# KiCad board oibus-mini-CCC_PANEL.kicad_pcb (continued)
## Routing (per net, layer and track width the routed paths; a pad name or vN(x,y) marks a point on that pad's centre or on a via; arc(x,y) is an arc through that point) (continued)
/CAN_H: length 761.8
  Top w0.2: 68.03,24.01 68.03,23.3 69,22.33 R19#2.1 69.8,21 69.8,19.74 68.95,18.89 68.95,18.06 70.9,16.11 70.9,13.81 70.1,13.01 J3#2.3 67.15,13.01 D6#2.1 66.38,12.23 63.73,12.23 62.2,10.71 H2#2.11 ; 68.03,24.01 68.03,23.78 ; 68.03,24.01 U7#2.7 ; 105.03,24.01 105.03,23.3 106,22.33 R19#3.1 106.8,21 106.8,19.74 105.95,18.89 105.95,18.06 107.9,16.11 107.9,13.81 107.1,13.01 J3#3.3 104.15,13.01 D6#4.1 103.38,12.23 100.72,12.23 99.2,10.71 H2#3.11 ; 105.03,24.01 105.03,23.78 ; 105.03,24.01 U7#4.7 ; 142.03,24.01 142.03,23.3 143,22.33 R19#4.1 143.8,21 143.8,19.74 142.95,18.89 142.95,18.06 144.9,16.11 144.9,13.81 144.1,13.01 J3#4.3 141.15,13.01 D6#3.1 140.38,12.23 137.72,12.23 136.2,10.71 H2#4.11 ; 142.03,24.01 142.03,23.78 ; 142.03,24.01 U7#3.7 ; 179.03,24.01 179.03,23.3 180,22.33 R19#5.1 180.8,21 180.8,19.74 179.95,18.89 179.95,18.06 181.9,16.11 181.9,13.81 181.1,13.01 J3#5.3 178.15,13.01 D6#6.1 177.38,12.23 174.72,12.23 173.2,10.71 H2#6.11 ; 179.03,24.01 179.03,23.78 ; 179.03,24.01 U7#6.7 ; 216.03,24.01 216.03,23.3 217,22.33 R19#6.1 217.8,21 217.8,19.74 216.95,18.89 216.95,18.06 218.9,16.11 218.9,13.81 218.1,13.01 J3#6.3 215.15,13.01 D6#5.1 214.38,12.23 211.72,12.23 210.2,10.71 H2#5.11 ; 216.03,24.01 216.03,23.78 ; 216.03,24.01 U7#5.7 ; 253.03,24.01 253.03,23.3 254,22.33 R19#8.1 254.8,21 254.8,19.74 253.95,18.89 253.95,18.06 255.9,16.11 255.9,13.81 255.1,13.01 J3#8.3 252.15,13.01 D6#8.1 251.38,12.23 248.72,12.23 247.2,10.71 H2#7.11 ; 253.03,24.01 253.03,23.78 ; 253.03,24.01 U7#8.7 ; 290.03,24.01 290.03,23.3 291,22.33 R19#7.1 291.8,21 291.8,19.74 290.95,18.89 290.95,18.06 292.9,16.11 292.9,13.81 292.1,13.01 J3#7.3 289.15,13.01 D6#7.1 288.38,12.23 285.73,12.23 284.2,10.71 H2#8.11 ; 290.03,24.01 290.03,23.78 ; 290.03,24.01 U7#7.7 ; 31.03,90.01 31.03,89.3 32,88.33 R19#9.1 32.8,87 32.8,85.74 31.95,84.89 31.95,84.06 33.9,82.11 33.9,79.81 33.1,79.01 J3#9.3 30.15,79.01 D6#10.1 29.38,78.23 26.73,78.23 25.2,76.71 H2#9.11 ; 31.03,90.01 31.03,89.78 ; 31.03,90.01 U7#10.7 ; 105.03,90.01 105.03,89.3 106,88.33 R19#11.1 106.8,87 106.8,85.74 105.95,84.89 105.95,84.06 107.9,82.11 107.9,79.81 107.1,79.01 J3#11.3 104.15,79.01 D6#14.1 103.38,78.23 100.72,78.23 99.2,76.71 H2#13.11 ; 105.03,90.01 105.03,89.78 ; 105.03,90.01 U7#14.7 ; 68.03,90.01 68.03,89.3 69,88.33 R19#13.1 69.8,87 69.8,85.74 68.95,84.89 68.95,84.06 70.9,82.11 70.9,79.81 70.1,79.01 J3#13.3 67.15,79.01 D6#9.1 66.38,78.23 63.73,78.23 62.2,76.71 H2#12.11 ; 68.03,90.01 68.03,89.78 ; 68.03,90.01 U7#9.7 ; 142.03,90.01 142.03,89.3 143,88.33 R19#12.1 143.8,87 143.8,85.74 142.95,84.89 142.95,84.06 144.9,82.11 144.9,79.81 144.1,79.01 J3#12.3 141.15,79.01 D6#13.1 140.38,78.23 137.72,78.23 136.2,76.71 H2#11.11 ; 142.03,90.01 142.03,89.78 ; 142.03,90.01 U7#13.7 ; 179.03,90.01 179.03,89.3 180,88.33 R19#14.1 180.8,87 180.8,85.74 179.95,84.89 179.95,84.06 181.9,82.11 181.9,79.81 181.1,79.01 J3#14.3 178.15,79.01 D6#12.1 177.38,78.23 174.72,78.23 173.2,76.71 H2#10.11 ; 179.03,90.01 179.03,89.78 ; 179.03,90.01 U7#12.7 ; 216.03,90.01 216.03,89.3 217,88.33 R19#10.1 217.8,87 217.8,85.74 216.95,84.89 216.95,84.06 218.9,82.11 218.9,79.81 218.1,79.01 J3#10.3 215.15,79.01 D6#11.1 214.38,78.23 211.72,78.23 210.2,76.71 H2#14.11 ; 216.03,90.01 216.03,89.78 ; 216.03,90.01 U7#11.7 ; 253.03,90.01 253.03,89.3 254,88.33 R19#16.1 254.8,87 254.8,85.74 253.95,84.89 253.95,84.06 255.9,82.11 255.9,79.81 255.1,79.01 J3#16.3 252.15,79.01 D6#16.1 251.38,78.23 248.72,78.23 247.2,76.71 H2#15.11 ; 253.03,90.01 253.03,89.78 ; 253.03,90.01 U7#16.7 ; 290.03,90.01 290.03,89.3 291,88.33 R19#15.1 291.8,87 291.8,85.74 290.95,84.89 290.95,84.06 292.9,82.11 292.9,79.81 292.1,79.01 J3#15.3 289.15,79.01 D6#15.1 288.38,78.23 285.73,78.23 284.2,76.71 H2#16.11 ; 290.03,90.01 290.03,89.78 ; 290.03,90.01 U7#15.7 ; 31.03,222.01 31.03,221.3 32,220.33 R19#24.1 32.8,219 32.8,217.74 31.95,216.89 31.95,216.06 33.9,214.11 33.9,211.81 33.1,211.01 J3#23.3 30.15,211.01 D6#24.1 29.38,210.23 26.73,210.23 25.2,208.71 H2#23.11 ; 31.03,222.01 31.03,221.78 ; 31.03,222.01 U7#24.7 ; 105.03,222.01 105.03,221.3 106,220.33 R19#27.1 106.8,219 106.8,217.74 105.95,216.89 105.95,216.06 107.9,214.11 107.9,211.81 107.1,211.01 J3#27.3 104.15,211.01 D6#30.1 103.38,210.23 100.72,210.23 99.2,208.71 H2#29.11 ; 105.03,222.01 105.03,221.78 ; 105.03,222.01 U7#30.7 ; 68.03,222.01 68.03,221.3 69,220.33 R19#29.1 69.8,219 69.8,217.74 68.95,216.89 68.95,216.06 70.9,214.11 70.9,211.81 70.1,211.01 J3#29.3 67.15,211.01 D6#23.1 66.38,210.23 63.73,210.23 62.2,208.71 H2#28.11 ; 68.03,222.01 68.03,221.78 ; 68.03,222.01 U7#23.7 ; 179.03,222.01 179.03,221.3 180,220.33 R19#30.1 180.8,219 180.8,217.74 179.95,216.89 179.95,216.06 181.9,214.11 181.9,211.81 181.1,211.01 J3#30.3 178.15,211.01 D6#28.1 177.38,210.23 174.72,210.23 173.2,208.71 H2#26.11 ; 179.03,222.01 179.03,221.78 ; 179.03,222.01 U7#28.7 ; 142.03,222.01 142.03,221.3 143,220.33 R19#28.1 143.8,219 143.8,217.74 142.95,216.89 142.95,216.06 144.9,214.11 144.9,211.81 144.1,211.01 J3#28.3 141.15,211.01 D6#29.1 140.38,210.23 137.72,210.23 136.2,208.71 H2#27.11 ; 142.03,222.01 142.03,221.78 ; 142.03,222.01 U7#29.7 ; 31.03,156.01 31.03,155.3 32,154.33 R19#17.1 32.8,153 32.8,151.74 31.95,150.89 31.95,150.06 33.9,148.11 33.9,145.81 33.1,145.01 J3#17.3 30.15,145.01 D6#18.1 29.38,144.23 26.73,144.23 25.2,142.71 H2#17.11 ; 31.03,156.01 31.03,155.78 ; 31.03,156.01 U7#18.7 ; 105.03,156.01 105.03,155.3 106,154.33 R19#19.1 106.8,153 106.8,151.74 105.95,150.89 105.95,150.06 107.9,148.11 107.9,145.81 107.1,145.01 J3#19.3 104.15,145.01 D6#22.1 103.38,144.23 100.72,144.23 99.2,142.71 H2#21.11 ; 105.03,156.01 105.03,155.78 ; 105.03,156.01 U7#22.7 ; 68.03,156.01 68.03,155.3 69,154.33 R19#21.1 69.8,153 69.8,151.74 68.95,150.89 68.95,150.06 70.9,148.11 70.9,145.81 70.1,145.01 J3#21.3 67.15,145.01 D6#17.1 66.38,144.23 63.73,144.23 62.2,142.71 H2#20.11 ; 68.03,156.01 68.03,155.78 ; 68.03,156.01 U7#17.7 ; 142.03,156.01 142.03,155.3 143,154.33 R19#20.1 143.8,153 143.8,151.74 142.95,150.89 142.95,150.06 144.9,148.11 144.9,145.81 144.1,145.01 J3#20.3 141.15,145.01 D6#21.1 140.38,144.23 137.72,144.23 136.2,142.71 H2#19.11 ; 142.03,156.01 142.03,155.78 ; 142.03,156.01 U7#21.7 ; 179.03,156.01 179.03,155.3 180,154.33 R19#22.1 180.8,153 180.8,151.74 179.95,150.89 179.95,150.06 181.9,148.11 181.9,145.81 181.1,145.01 J3#22.3 178.15,145.01 D6#20.1 177.38,144.23 174.72,144.23 173.2,142.71 H2#18.11 ; 179.03,156.01 179.03,155.78 ; 179.03,156.01 U7#20.7 ; 216.03,156.01 216.03,155.3 217,154.33 R19#18.1 217.8,153 217.8,151.74 216.95,150.89 216.95,150.06 218.9,148.11 218.9,145.81 218.1,145.01 J3#18.3 215.15,145.01 D6#19.1 214.38,144.23 211.72,144.23 210.2,142.71 H2#22.11 ; 216.03,156.01 216.03,155.78 ; 216.03,156.01 U7#19.7 ; 253.03,156.01 253.03,155.3 254,154.33 R19#25.1 254.8,153 254.8,151.74 253.95,150.89 253.95,150.06 255.9,148.11 255.9,145.81 255.1,145.01 J3#25.3 252.15,145.01 D6#26.1 251.38,144.23 248.72,144.23 247.2,142.71 H2#24.11 ; 253.03,156.01 253.03,155.78 ; 253.03,156.01 U7#26.7 ; 290.03,156.01 290.03,155.3 291,154.33 R19#23.1 291.8,153 291.8,151.74 290.95,150.89 290.95,150.06 292.9,148.11 292.9,145.81 292.1,145.01 J3#24.3 289.15,145.01 D6#25.1 288.38,144.23 285.73,144.23 284.2,142.71 H2#25.11 ; 290.03,156.01 290.03,155.78 ; 290.03,156.01 U7#25.7 ; 216.03,222.01 216.03,221.3 217,220.33 R19#26.1 217.8,219 217.8,217.74 216.95,216.89 216.95,216.06 218.9,214.11 218.9,211.81 218.1,211.01 J3#26.3 215.15,211.01 D6#27.1 214.38,210.23 211.72,210.23 210.2,208.71 H2#30.11 ; 216.03,222.01 216.03,221.78 ; 216.03,222.01 U7#27.7 ; H2#31.11 247.2,208.71 248.72,210.23 251.38,210.23 D6#32.1 252.15,211.01 J3#32.3 255.1,211.01 255.9,211.81 255.9,214.11 253.95,216.06 253.95,216.89 254.8,217.74 254.8,219 R19#32.1 254,220.33 253.03,221.3 253.03,222.01 ; 253.03,222.01 253.03,221.78 ; 253.03,222.01 U7#32.7 ; 290.03,222.01 290.03,221.3 291,220.33 R19#31.1 291.8,219 291.8,217.74 290.95,216.89 290.95,216.06 292.9,214.11 292.9,211.81 292.1,211.01 J3#31.3 289.15,211.01 D6#31.1 288.38,210.23 285.73,210.23 284.2,208.71 H2#32.11 ; 290.03,222.01 290.03,221.78 ; 290.03,222.01 U7#31.7 ; U7.7 31.03,24.01 ; 31.03,24.01 31.03,23.3 32,22.33 R19.1 32.8,21 32.8,19.74 31.95,18.89 31.95,18.06 33.9,16.11 33.9,13.81 33.1,13.01 J3.3 30.15,13.01 D6.1 29.38,12.23 26.73,12.23 25.2,10.71 H2.11 ; 31.03,24.01 31.03,23.78
/CAN_L: length 720.6
  Top w0.2: H2#2.12 63.31,14.16 D6#2.2 68.9,14.16 J3#2.4 69.85,14.26 70.3,14.71 70.3,15.81 68.38,17.73 67.48,17.73 66.1,19.11 66.1,21.47 66.42,21.8 R20#2.2 67,22.91 67.37,23.28 U7#2.6 ; H2#3.12 100.31,14.16 D6#4.2 105.9,14.16 J3#3.4 106.85,14.26 107.3,14.71 107.3,15.81 105.38,17.73 104.48,17.73 103.1,19.11 103.1,21.47 103.42,21.8 R20#3.2 104,22.91 104.37,23.28 U7#4.6 ; H2#4.12 137.31,14.16 D6#3.2 142.9,14.16 J3#4.4 143.85,14.26 144.3,14.71 144.3,15.81 142.38,17.73 141.48,17.73 140.1,19.11 140.1,21.47 140.43,21.8 R20#4.2 141,22.91 141.37,23.28 U7#3.6 ; H2#6.12 174.31,14.16 D6#6.2 179.9,14.16 J3#5.4 180.85,14.26 181.3,14.71 181.3,15.81 179.38,17.73 178.48,17.73 177.1,19.11 177.1,21.47 177.43,21.8 R20#5.2 178,22.91 178.37,23.28 U7#6.6 ; H2#5.12 211.31,14.16 D6#5.2 216.9,14.16 J3#6.4 217.85,14.26 218.3,14.71 218.3,15.81 216.38,17.73 215.48,17.73 214.1,19.11 214.1,21.47 214.43,21.8 R20#6.2 215,22.91 215.37,23.28 U7#5.6 ; H2#7.12 248.31,14.16 D6#8.2 253.9,14.16 J3#8.4 254.85,14.26 255.3,14.71 255.3,15.81 253.38,17.73 252.48,17.73 251.1,19.11 251.1,21.47 251.43,21.8 R20#8.2 252,22.91 252.37,23.28 U7#8.6 ; H2#8.12 285.31,14.16 D6#7.2 290.9,14.16 J3#7.4 291.85,14.26 292.3,14.71 292.3,15.81 290.38,17.73 289.48,17.73 288.1,19.11 288.1,21.47 288.43,21.8 R20#7.2 289,22.91 289.37,23.28 U7#7.6 ; H2#9.12 26.31,80.16 D6#10.2 31.9,80.16 J3#9.4 32.85,80.26 33.3,80.71 33.3,81.81 31.38,83.73 30.48,83.73 29.1,85.11 29.1,87.47 29.43,87.8 R20#9.2 30,88.91 30.37,89.28 U7#10.6 ; H2#13.12 100.31,80.16 D6#14.2 105.9,80.16 J3#11.4 106.85,80.26 107.3,80.71 107.3,81.81 105.38,83.73 104.48,83.73 103.1,85.11 103.1,87.47 103.42,87.8 R20#11.2 104,88.91 104.37,89.28 U7#14.6 ; H2#12.12 63.31,80.16 D6#9.2 68.9,80.16 J3#13.4 69.85,80.26 70.3,80.71 70.3,81.81 68.38,83.73 67.48,83.73 66.1,85.11 66.1,87.47 66.42,87.8 R20#13.2 67,88.91 67.37,89.28 U7#9.6 ; H2#11.12 137.31,80.16 D6#13.2 142.9,80.16 J3#12.4 143.85,80.26 144.3,80.71 144.3,81.81 142.38,83.73 141.48,83.73 140.1,85.11 140.1,87.47 140.43,87.8 R20#12.2 141,88.91 141.37,89.28 U7#13.6 ; H2#10.12 174.31,80.16 D6#12.2 179.9,80.16 J3#14.4 180.85,80.26 181.3,80.71 181.3,81.81 179.38,83.73 178.48,83.73 177.1,85.11 177.1,87.47 177.43,87.8 R20#14.2 178,88.91 178.37,89.28 U7#12.6 ; H2#14.12 211.31,80.16 D6#11.2 216.9,80.16 J3#10.4 217.85,80.26 218.3,80.71 218.3,81.81 216.38,83.73 215.48,83.73 214.1,85.11 214.1,87.47 214.43,87.8 R20#10.2 215,88.91 215.37,89.28 U7#11.6 ; H2#15.12 248.31,80.16 D6#16.2 253.9,80.16 J3#16.4 254.85,80.26 255.3,80.71 255.3,81.81 253.38,83.73 252.48,83.73 251.1,85.11 251.1,87.47 251.43,87.8 R20#16.2 252,88.91 252.37,89.28 U7#16.6 ; H2#16.12 285.31,80.16 D6#15.2 290.9,80.16 J3#15.4 291.85,80.26 292.3,80.71 292.3,81.81 290.38,83.73 289.48,83.73 288.1,85.11 288.1,87.47 288.43,87.8 R20#15.2 289,88.91 289.37,89.28 U7#15.6 ; H2#23.12 26.31,212.16 D6#24.2 31.9,212.16 J3#23.4 32.85,212.26 33.3,212.71 33.3,213.81 31.38,215.73 30.48,215.73 29.1,217.11 29.1,219.47 29.43,219.8 R20#24.2 30,220.91 30.37,221.28 U7#24.6 ; H2#29.12 100.31,212.16 D6#30.2 105.9,212.16 J3#27.4 106.85,212.26 107.3,212.71 107.3,213.81 105.38,215.73 104.48,215.73 103.1,217.11 103.1,219.47 103.42,219.8 R20#27.2 104,220.91 104.37,221.28 U7#30.6 ; H2#28.12 63.31,212.16 D6#23.2 68.9,212.16 J3#29.4 69.85,212.26 70.3,212.71 70.3,213.81 68.38,215.73 67.48,215.73 66.1,217.11 66.1,219.47 66.42,219.8 R20#29.2 67,220.91 67.37,221.28 U7#23.6 ; H2#26.12 174.31,212.16 D6#28.2 179.9,212.16 J3#30.4 180.85,212.26 181.3,212.71 181.3,213.81 179.38,215.73 178.48,215.73 177.1,217.11 177.1,219.47 177.43,219.8 R20#30.2 178,220.91 178.37,221.28 U7#28.6 ; H2#27.12 137.31,212.16 D6#29.2 142.9,212.16 J3#28.4 143.85,212.26 144.3,212.71 144.3,213.81 142.38,215.73 141.48,215.73 140.1,217.11 140.1,219.47 140.43,219.8 R20#28.2 141,220.91 141.37,221.28 U7#29.6 ; H2#17.12 26.31,146.16 D6#18.2 31.9,146.16 J3#17.4 32.85,146.26 33.3,146.71 33.3,147.81 31.38,149.73 30.48,149.73 29.1,151.11 29.1,153.47 29.43,153.8 R20#17.2 30,154.91 30.37,155.28 U7#18.6 ; H2#21.12 100.31,146.16 D6#22.2 105.9,146.16 J3#19.4 106.85,146.26 107.3,146.71 107.3,147.81 105.38,149.73 104.48,149.73 103.1,151.11 103.1,153.47 103.42,153.8 R20#19.2 104,154.91 104.37,155.28 U7#22.6 ; H2#20.12 63.31,146.16 D6#17.2 68.9,146.16 J3#21.4 69.85,146.26 70.3,146.71 70.3,147.81 68.38,149.73 67.48,149.73 66.1,151.11 66.1,153.47 66.42,153.8 R20#21.2 67,154.91 67.37,155.28 U7#17.6 ; H2#19.12 137.31,146.16 D6#21.2 142.9,146.16 J3#20.4 143.85,146.26 144.3,146.71 144.3,147.81 142.38,149.73 141.48,149.73 140.1,151.11 140.1,153.47 140.43,153.8 R20#20.2 141,154.91 141.37,155.28 U7#21.6 ; H2#18.12 174.31,146.16 D6#20.2 179.9,146.16 J3#22.4 180.85,146.26 181.3,146.71 181.3,147.81 179.38,149.73 178.48,149.73 177.1,151.11 177.1,153.47 177.43,153.8 R20#22.2 178,154.91 178.37,155.28 U7#20.6 ; H2#22.12 211.31,146.16 D6#19.2 216.9,146.16 J3#18.4 217.85,146.26 218.3,146.71 218.3,147.81 216.38,149.73 215.48,149.73 214.1,151.11 214.1,153.47 214.43,153.8 R20#18.2 215,154.91 215.37,155.28 U7#19.6 ; H2#24.12 248.31,146.16 D6#26.2 253.9,146.16 J3#25.4 254.85,146.26 255.3,146.71 255.3,147.81 253.38,149.73 252.48,149.73 251.1,151.11 251.1,153.47 251.43,153.8 R20#25.2 252,154.91 252.37,155.28 U7#26.6 ; H2#25.12 285.31,146.16 D6#25.2 290.9,146.16 J3#24.4 291.85,146.26 292.3,146.71 292.3,147.81 290.38,149.73 289.48,149.73 288.1,151.11 288.1,153.47 288.43,153.8 R20#23.2 289,154.91 289.37,155.28 U7#25.6 ; H2#30.12 211.31,212.16 D6#27.2 216.9,212.16 J3#26.4 217.85,212.26 218.3,212.71 218.3,213.81 216.38,215.73 215.48,215.73 214.1,217.11 214.1,219.47 214.43,219.8 R20#26.2 215,220.91 215.37,221.28 U7#27.6 ; H2#31.12 248.31,212.16 D6#32.2 253.9,212.16 J3#32.4 254.85,212.26 255.3,212.71 255.3,213.81 253.38,215.73 252.48,215.73 251.1,217.11 251.1,219.47 251.43,219.8 R20#32.2 252,220.91 252.37,221.28 U7#32.6 ; H2#32.12 285.31,212.16 D6#31.2 290.9,212.16 J3#31.4 291.85,212.26 292.3,212.71 292.3,213.81 290.38,215.73 289.48,215.73 288.1,217.11 288.1,219.47 288.43,219.8 R20#31.2 289,220.91 289.37,221.28 U7#31.6 ; U7.6 30.37,23.28 30,22.91 R20.2 29.43,21.8 29.1,21.47 29.1,19.11 30.48,17.73 31.38,17.73 33.3,15.81 33.3,14.71 32.85,14.26 J3.4 31.9,14.16 D6.2 26.31,14.16 H2.12
/CAN_LED: length 474.9
  Top w0.2: R9#2.1 71,25.81 70.1,26.71 70.1,30.01 69.35,30.75 69.35,33.65 68.75,34.26 U8#2.2 ; R9#3.1 108,25.81 107.1,26.71 107.1,30.01 106.35,30.75 106.35,33.65 105.75,34.26 U8#4.2 ; R9#4.1 145,25.81 144.1,26.71 144.1,30.01 143.35,30.75 143.35,33.65 142.75,34.26 U8#3.2 ; R9#6.1 182,25.81 181.1,26.71 181.1,30.01 180.35,30.75 180.35,33.65 179.75,34.26 U8#6.2 ; R9#5.1 219,25.81 218.1,26.71 218.1,30.01 217.35,30.75 217.35,33.65 216.75,34.26 U8#5.2 ; R9#7.1 256,25.81 255.1,26.71 255.1,30.01 254.35,30.75 254.35,33.65 253.75,34.26 U8#7.2 ; R9#8.1 293,25.81 292.1,26.71 292.1,30.01 291.35,30.75 291.35,33.65 290.75,34.26 U8#8.2 ; R9#9.1 34,91.81 33.1,92.71 33.1,96.01 32.35,96.75 32.35,99.65 31.75,100.26 U8#11.2 ; R9#13.1 108,91.81 107.1,92.71 107.1,96.01 106.35,96.75 106.35,99.65 105.75,100.26 U8#13.2 ; R9#12.1 71,91.81 70.1,92.71 70.1,96.01 69.35,96.75 69.35,99.65 68.75,100.26 U8#9.2 ; R9#11.1 145,91.81 144.1,92.71 144.1,96.01 143.35,96.75 143.35,99.65 142.75,100.26 U8#10.2 ; R9#10.1 182,91.81 181.1,92.71 181.1,96.01 180.35,96.75 180.35,99.65 179.75,100.26 U8#12.2 ; R9#14.1 219,91.81 218.1,92.71 218.1,96.01 217.35,96.75 217.35,99.65 216.75,100.26 U8#14.2 ; R9#16.1 293,91.81 292.1,92.71 292.1,96.01 291.35,96.75 291.35,99.65 290.75,100.26 U8#16.2 ; R9#15.1 256,91.81 255.1,92.71 255.1,96.01 254.35,96.75 254.35,99.65 253.75,100.26 U8#15.2 ; R9#23.1 34,223.81 33.1,224.71 33.1,228.01 32.35,228.75 32.35,231.65 31.75,232.26 U8#25.2 ; R9#29.1 108,223.81 107.1,224.71 107.1,228.01 106.35,228.75 106.35,231.65 105.75,232.26 U8#29.2 ; R9#28.1 71,223.81 70.1,224.71 70.1,228.01 69.35,228.75 69.35,231.65 68.75,232.26 U8#21.2 ; R9#27.1 145,223.81 144.1,224.71 144.1,228.01 143.35,228.75 143.35,231.65 142.75,232.26 U8#24.2 ; R9#26.1 182,223.81 181.1,224.71 181.1,228.01 180.35,228.75 180.35,231.65 179.75,232.26 U8#28.2 ; R9#17.1 34,157.81 33.1,158.71 33.1,162.01 32.35,162.75 32.35,165.65 31.75,166.26 U8#19.2 ; R9#21.1 108,157.81 107.1,158.71 107.1,162.01 106.35,162.75 106.35,165.65 105.75,166.26 U8#22.2 ; R9#20.1 71,157.81 70.1,158.71 70.1,162.01 69.35,162.75 69.35,165.65 68.75,166.26 U8#17.2 ; R9#19.1 145,157.81 144.1,158.71 144.1,162.01 143.35,162.75 143.35,165.65 142.75,166.26 U8#18.2 ; R9#18.1 182,157.81 181.1,158.71 181.1,162.01 180.35,162.75 180.35,165.65 179.75,166.26 U8#20.2 ; R9#22.1 219,157.81 218.1,158.71 218.1,162.01 217.35,162.75 217.35,165.65 216.75,166.26 U8#23.2 ; R9#25.1 293,157.81 292.1,158.71 292.1,162.01 291.35,162.75 291.35,165.65 290.75,166.26 U8#27.2 ; R9#24.1 256,157.81 255.1,158.71 255.1,162.01 254.35,162.75 254.35,165.65 253.75,166.26 U8#26.2 ; R9#30.1 219,223.81 218.1,224.71 218.1,228.01 217.35,228.75 217.35,231.65 216.75,232.26 U8#30.2 ; R9#31.1 256,223.81 255.1,224.71 255.1,228.01 254.35,228.75 254.35,231.65 253.75,232.26 U8#31.2 ; R9#32.1 293,223.81 292.1,224.71 292.1,228.01 291.35,228.75 291.35,231.65 290.75,232.26 U8#32.2 ; U8.2 31.75,34.26 32.35,33.65 32.35,30.75 33.1,30.01 33.1,26.71 34,25.81 R9.1
/CAN_RX: length 203.9
  Top w0.2: U7#2.4 66.32,27.51 65.82,28.01 65.25,28.01 64.9,28.35 64.9,29.35 64.39,29.85 U8#2.45 ; U7#4.4 103.32,27.51 102.82,28.01 102.25,28.01 101.9,28.35 101.9,29.35 101.39,29.85 U8#4.45 ; U7#3.4 140.32,27.51 139.82,28.01 139.25,28.01 138.9,28.35 138.9,29.35 138.39,29.85 U8#3.45 ; U7#6.4 177.32,27.51 176.82,28.01 176.25,28.01 175.9,28.35 175.9,29.35 175.39,29.85 U8#6.45 ; U7#5.4 214.32,27.51 213.82,28.01 213.25,28.01 212.9,28.35 212.9,29.35 212.39,29.85 U8#5.45 ; U7#8.4 251.32,27.51 250.82,28.01 250.25,28.01 249.9,28.35 249.9,29.35 249.39,29.85 U8#7.45 ; U7#7.4 288.32,27.51 287.82,28.01 287.25,28.01 286.9,28.35 286.9,29.35 286.39,29.85 U8#8.45 ; U7#10.4 29.32,93.51 28.82,94.01 28.25,94.01 27.9,94.35 27.9,95.35 27.39,95.85 U8#11.45 ; U7#14.4 103.32,93.51 102.82,94.01 102.25,94.01 101.9,94.35 101.9,95.35 101.39,95.85 U8#13.45 ; U7#9.4 66.32,93.51 65.82,94.01 65.25,94.01 64.9,94.35 64.9,95.35 64.39,95.85 U8#9.45 ; U7#13.4 140.32,93.51 139.82,94.01 139.25,94.01 138.9,94.35 138.9,95.35 138.39,95.85 U8#10.45 ; U7#12.4 177.32,93.51 176.82,94.01 176.25,94.01 175.9,94.35 175.9,95.35 175.39,95.85 U8#12.45 ; U7#11.4 214.32,93.51 213.82,94.01 213.25,94.01 212.9,94.35 212.9,95.35 212.39,95.85 U8#14.45 ; U7#16.4 251.32,93.51 250.82,94.01 250.25,94.01 249.9,94.35 249.9,95.35 249.39,95.85 U8#15.45 ; U7#15.4 288.32,93.51 287.82,94.01 287.25,94.01 286.9,94.35 286.9,95.35 286.39,95.85 U8#16.45 ; U7#24.4 29.32,225.51 28.82,226.01 28.25,226.01 27.9,226.35 27.9,227.35 27.39,227.85 U8#25.45 ; U7#30.4 103.32,225.51 102.82,226.01 102.25,226.01 101.9,226.35 101.9,227.35 101.39,227.85 U8#29.45 ; U7#23.4 66.32,225.51 65.82,226.01 65.25,226.01 64.9,226.35 64.9,227.35 64.39,227.85 U8#21.45 ; U7#29.4 140.32,225.51 139.82,226.01 139.25,226.01 138.9,226.35 138.9,227.35 138.39,227.85 U8#24.45 ; U7#28.4 177.32,225.51 176.82,226.01 176.25,226.01 175.9,226.35 175.9,227.35 175.39,227.85 U8#28.45 ; U7#18.4 29.32,159.51 28.82,160.01 28.25,160.01 27.9,160.35 27.9,161.35 27.39,161.85 U8#19.45 ; U7#22.4 103.32,159.51 102.82,160.01 102.25,160.01 101.9,160.35 101.9,161.35 101.39,161.85 U8#22.45 ; U7#17.4 66.32,159.51 65.82,160.01 65.25,160.01 64.9,160.35 64.9,161.35 64.39,161.85 U8#17.45 ; U7#21.4 140.32,159.51 139.82,160.01 139.25,160.01 138.9,160.35 138.9,161.35 138.39,161.85 U8#18.45 ; U7#20.4 177.32,159.51 176.82,160.01 176.25,160.01 175.9,160.35 175.9,161.35 175.39,161.85 U8#20.45 ; U7#19.4 214.32,159.51 213.82,160.01 213.25,160.01 212.9,160.35 212.9,161.35 212.39,161.85 U8#23.45 ; U7#26.4 251.32,159.51 250.82,160.01 250.25,160.01 249.9,160.35 249.9,161.35 249.39,161.85 U8#26.45 ; U7#25.4 288.32,159.51 287.82,160.01 287.25,160.01 286.9,160.35 286.9,161.35 286.39,161.85 U8#27.45 ; U7#27.4 214.32,225.51 213.82,226.01 213.25,226.01 212.9,226.35 212.9,227.35 212.39,227.85 U8#30.45 ; U7#32.4 251.32,225.51 250.82,226.01 250.25,226.01 249.9,226.35 249.9,227.35 249.39,227.85 U8#31.45 ; U7#31.4 288.32,225.51 287.82,226.01 287.25,226.01 286.9,226.35 286.9,227.35 286.39,227.85 U8#32.45 ; U8.45 27.39,29.85 27.9,29.35 27.9,28.35 28.25,28.01 28.82,28.01 29.32,27.51 U7.4
/CAN_SHDN: length 451.1
  Top w0.2: v2(63.8,24.01) 64.3,23.51 65.25,23.51 66.72,24.98 U7#2.5 ; U8#2.41 62.39,30.49 v2(62.01,30.1) ; v2(100.8,24.01) 101.3,23.51 102.25,23.51 103.72,24.98 U7#4.5 ; U8#4.41 99.39,30.49 v2(99.01,30.1) ; v2(137.8,24.01) 138.3,23.51 139.25,23.51 140.72,24.98 U7#3.5 ; U8#3.41 136.39,30.49 v2(136.01,30.1) ; v2(174.8,24.01) 175.3,23.51 176.25,23.51 177.72,24.98 U7#6.5 ; U8#6.41 173.39,30.49 v2(173.01,30.1) ; v2(211.8,24.01) 212.3,23.51 213.25,23.51 214.72,24.98 U7#5.5 ; U8#5.41 210.39,30.49 v2(210.01,30.1) ; v2(248.8,24.01) 249.3,23.51 250.25,23.51 251.72,24.98 U7#8.5 ; U8#7.41 247.39,30.49 v2(247.01,30.1) ; v2(285.8,24.01) 286.3,23.51 287.25,23.51 288.72,24.98 U7#7.5 ; U8#8.41 284.39,30.49 v2(284.01,30.1) ; v2(26.8,90.01) 27.3,89.51 28.25,89.51 29.72,90.98 U7#10.5 ; U8#11.41 25.39,96.49 v2(25.01,96.1) ; v2(100.8,90.01) 101.3,89.51 102.25,89.51 103.72,90.98 U7#14.5 ; U8#13.41 99.39,96.49 v2(99.01,96.1) ; v2(63.8,90.01) 64.3,89.51 65.25,89.51 66.72,90.98 U7#9.5 ; U8#9.41 62.39,96.49 v2(62.01,96.1) ; v2(137.8,90.01) 138.3,89.51 139.25,89.51 140.72,90.98 U7#13.5 ; U8#10.41 136.39,96.49 v2(136.01,96.1) ; v2(174.8,90.01) 175.3,89.51 176.25,89.51 177.72,90.98 U7#12.5 ; U8#12.41 173.39,96.49 v2(173.01,96.1) ; v2(211.8,90.01) 212.3,89.51 213.25,89.51 214.72,90.98 U7#11.5 ; U8#14.41 210.39,96.49 v2(210.01,96.1) ; v2(248.8,90.01) 249.3,89.51 250.25,89.51 251.72,90.98 U7#16.5 ; U8#15.41 247.39,96.49 v2(247.01,96.1) ; v2(285.8,90.01) 286.3,89.51 287.25,89.51 288.72,90.98 U7#15.5 ; U8#16.41 284.39,96.49 v2(284.01,96.1) ; v2(26.8,222.01) 27.3,221.51 28.25,221.51 29.72,222.98 U7#24.5 ; U8#25.41 25.39,228.49 v2(25.01,228.1) ; v2(100.8,222.01) 101.3,221.51 102.25,221.51 103.72,222.98 U7#30.5 ; U8#29.41 99.39,228.49 v2(99.01,228.1) ; v2(63.8,222.01) 64.3,221.51 65.25,221.51 66.72,222.98 U7#23.5 ; U8#21.41 62.39,228.49 v2(62.01,228.1) ; v2(137.8,222.01) 138.3,221.51 139.25,221.51 140.72,222.98 U7#29.5 ; U8#24.41 136.39,228.49 v2(136.01,228.1) ; v2(174.8,222.01) 175.3,221.51 176.25,221.51 177.72,222.98 U7#28.5 ; U8#28.41 173.39,228.49 v2(173.01,228.1) ; v2(26.8,156.01) 27.3,155.51 28.25,155.51 29.72,156.98 U7#18.5 ; U8#19.41 25.39,162.49 v2(25.01,162.1) ; v2(100.8,156.01) 101.3,155.51 102.25,155.51 103.72,156.98 U7#22.5 ; U8#22.41 99.39,162.49 v2(99.01,162.1) ; v2(63.8,156.01) 64.3,155.51 65.25,155.51 66.72,156.98 U7#17.5 ; U8#17.41 62.39,162.49 v2(62.01,162.1) ; v2(137.8,156.01) 138.3,155.51 139.25,155.51 140.72,156.98 U7#21.5 ; U8#18.41 136.39,162.49 v2(136.01,162.1) ; v2(174.8,156.01) 175.3,155.51 176.25,155.51 177.72,156.98 U7#20.5 ; U8#20.41 173.39,162.49 v2(173.01,162.1) ; v2(211.8,156.01) 212.3,155.51 213.25,155.51 214.72,156.98 U7#19.5 ; U8#23.41 210.39,162.49 v2(210.01,162.1) ; v2(248.8,156.01) 249.3,155.51 250.25,155.51 251.72,156.98 U7#26.5 ; U8#26.41 247.39,162.49 v2(247.01,162.1) ; v2(285.8,156.01) 286.3,155.51 287.25,155.51 288.72,156.98 U7#25.5 ; U8#27.41 284.39,162.49 v2(284.01,162.1) ; v2(211.8,222.01) 212.3,221.51 213.25,221.51 214.72,222.98 U7#27.5 ; U8#30.41 210.39,228.49 v2(210.01,228.1) ; v2(248.8,222.01) 249.3,221.51 250.25,221.51 251.72,222.98 U7#32.5 ; U8#31.41 247.39,228.49 v2(247.01,228.1) ; U8#32.41 284.39,228.49 v2(284.01,228.1) ; v2(285.8,222.01) 286.3,221.51 287.25,221.51 288.72,222.98 U7#31.5 ; v2(26.8,24.01) 27.3,23.51 28.25,23.51 29.72,24.98 U7.5 ; U8.41 25.39,30.49 v2(25.01,30.1)
  Bottom w0.2: v2(63.8,24.01) 63.3,24.51 62.67,24.51 61.5,25.67 61.5,29.59 v2(62.01,30.1) ; v2(100.8,24.01) 100.3,24.51 99.67,24.51 98.5,25.67 98.5,29.59 v2(99.01,30.1) ; v2(137.8,24.01) 137.3,24.51 136.67,24.51 135.5,25.67 135.5,29.59 v2(136.01,30.1) ; v2(174.8,24.01) 174.3,24.51 173.67,24.51 172.5,25.67 172.5,29.59 v2(173.01,30.1) ; v2(211.8,24.01) 211.3,24.51 210.67,24.51 209.5,25.67 209.5,29.59 v2(210.01,30.1) ; v2(248.8,24.01) 248.3,24.51 247.67,24.51 246.5,25.67 246.5,29.59 v2(247.01,30.1) ; v2(285.8,24.01) 285.3,24.51 284.67,24.51 283.5,25.67 283.5,29.59 v2(284.01,30.1) ; v2(26.8,90.01) 26.3,90.51 25.67,90.51 24.5,91.67 24.5,95.59 v2(25.01,96.1) ; v2(100.8,90.01) 100.3,90.51 99.67,90.51 98.5,91.67 98.5,95.59 v2(99.01,96.1) ; v2(63.8,90.01) 63.3,90.51 62.67,90.51 61.5,91.67 61.5,95.59 v2(62.01,96.1) ; v2(137.8,90.01) 137.3,90.51 136.67,90.51 135.5,91.67 135.5,95.59 v2(136.01,96.1) ; v2(174.8,90.01) 174.3,90.51 173.67,90.51 172.5,91.67 172.5,95.59 v2(173.01,96.1) ; v2(211.8,90.01) 211.3,90.51 210.67,90.51 209.5,91.67 209.5,95.59 v2(210.01,96.1) ; v2(248.8,90.01) 248.3,90.51 247.67,90.51 246.5,91.67 246.5,95.59 v2(247.01,96.1) ; v2(285.8,90.01) 285.3,90.51 284.67,90.51 283.5,91.67 283.5,95.59 v2(284.01,96.1) ; v2(26.8,222.01) 26.3,222.51 25.67,222.51 24.5,223.67 24.5,227.59 v2(25.01,228.1) ; v2(100.8,222.01) 100.3,222.51 99.67,222.51 98.5,223.67 98.5,227.59 v2(99.01,228.1) ; v2(62.01,228.1) 61.5,227.59 61.5,223.67 62.67,222.51 63.3,222.51 v2(63.8,222.01) ; v2(137.8,222.01) 137.3,222.51 136.67,222.51 135.5,223.67 135.5,227.59 v2(136.01,228.1) ; v2(174.8,222.01) 174.3,222.51 173.67,222.51 172.5,223.67 172.5,227.59 v2(173.01,228.1) ; v2(26.8,156.01) 26.3,156.51 25.67,156.51 24.5,157.67 24.5,161.59 v2(25.01,162.1) ; v2(100.8,156.01) 100.3,156.51 99.67,156.51 98.5,157.67 98.5,161.59 v2(99.01,162.1) ; v2(63.8,156.01) 63.3,156.51 62.67,156.51 61.5,157.67 61.5,161.59 v2(62.01,162.1) ; v2(137.8,156.01) 137.3,156.51 136.67,156.51 135.5,157.67 135.5,161.59 v2(136.01,162.1) ; v2(174.8,156.01) 174.3,156.51 173.67,156.51 172.5,157.67 172.5,161.59 v2(173.01,162.1) ; v2(211.8,156.01) 211.3,156.51 210.67,156.51 209.5,157.67 209.5,161.59 v2(210.01,162.1) ; v2(248.8,156.01) 248.3,156.51 247.67,156.51 246.5,157.67 246.5,161.59 v2(247.01,162.1) ; v2(285.8,156.01) 285.3,156.51 284.67,156.51 283.5,157.67 283.5,161.59 v2(284.01,162.1) ; v2(211.8,222.01) 211.3,222.51 210.67,222.51 209.5,223.67 209.5,227.59 v2(210.01,228.1) ; v2(248.8,222.01) 248.3,222.51 247.67,222.51 246.5,223.67 246.5,227.59 v2(247.01,228.1) ; v2(284.01,228.1) 283.5,227.59 283.5,223.67 284.67,222.51 285.3,222.51 v2(285.8,222.01) ; v2(25.01,30.1) 24.5,29.59 24.5,25.67 25.67,24.51 26.3,24.51 v2(26.8,24.01)